# Altium PCB Electronic Load 20251111.PcbDoc (part 5 of 6)
Units mm, origin at the board's own origin, x right, y up, seen from the top; angles counter-clockwise.
Board outline 206 x 70 mm, 6 copper layers (L1, L2, L3, L4, L5, L6), stack 1.609 mm thick; 684 components, 355 nets, 1727 pads, 802 vias.
Unrouted connection lines stored in the file: 10.
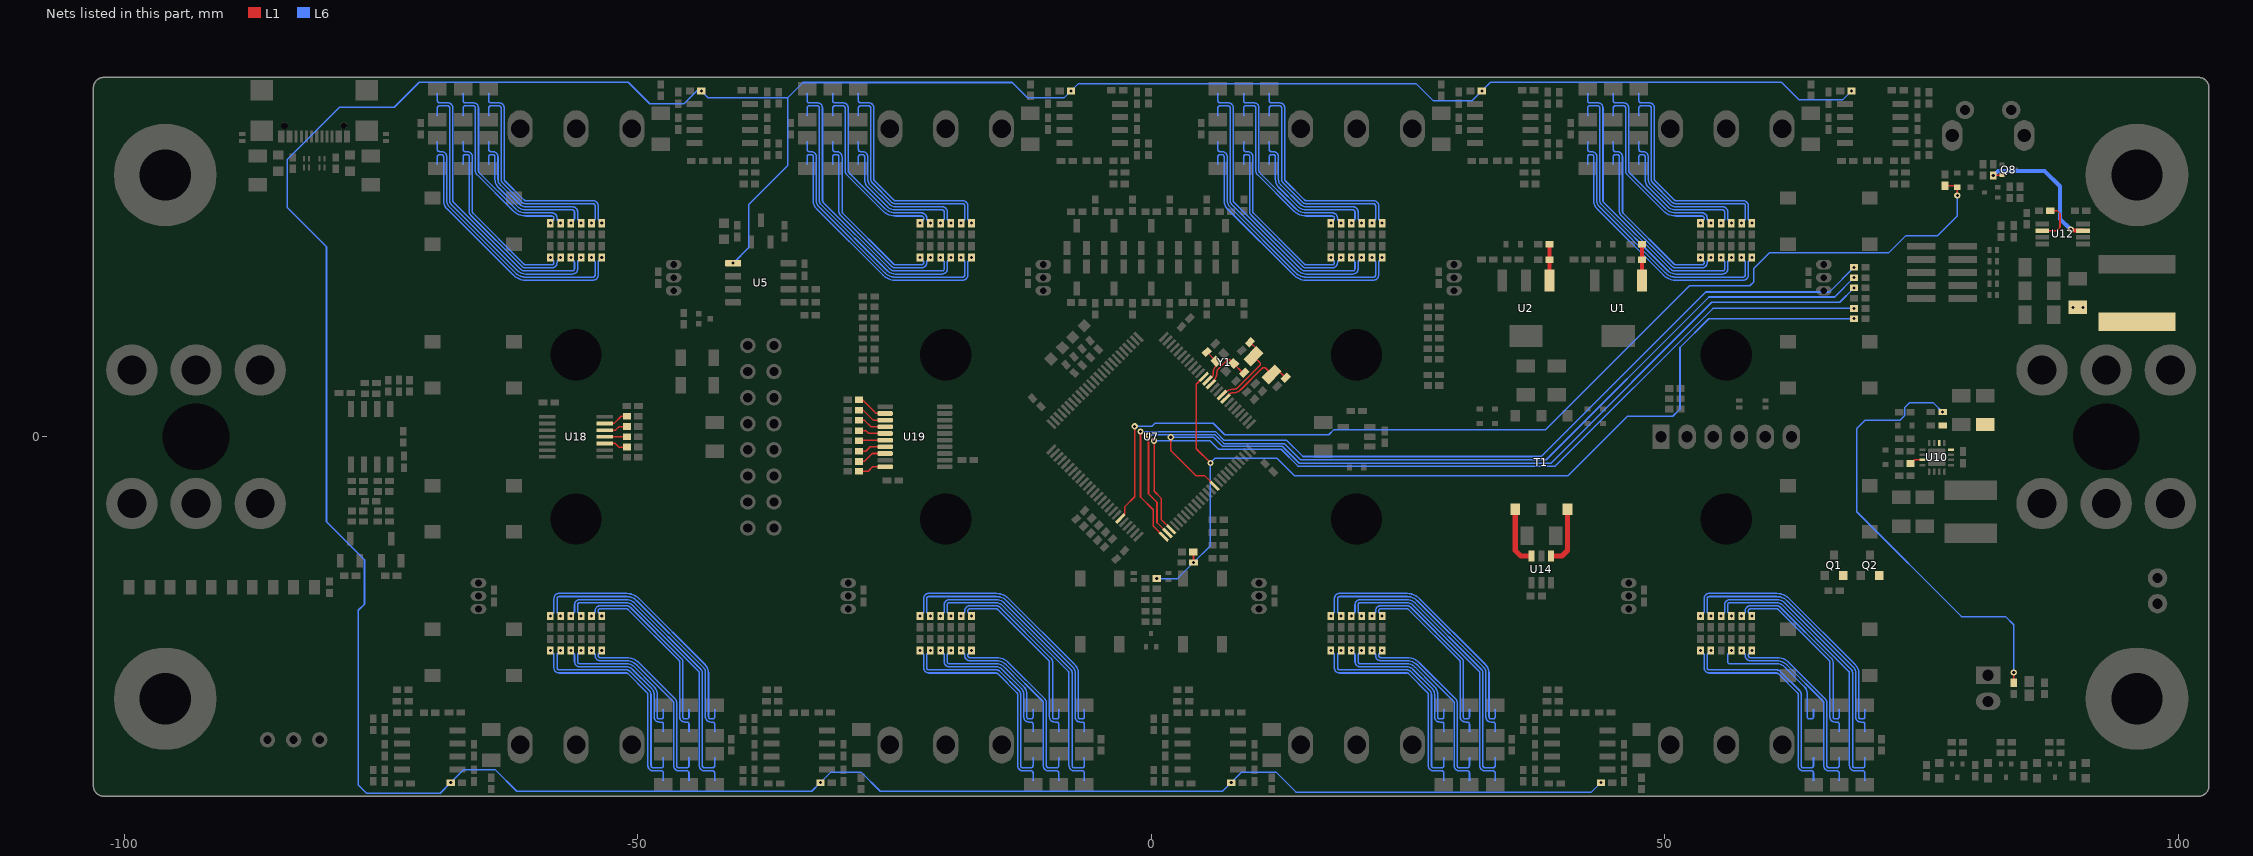
[diagram p9: the nets of this part, all layers, seen from the top]

## Via types
v1: diameter 0.6, hole 0.3, L1 to L6, tented both sides, 802 vias

## Nets (pads, with @x,y where several pads share a name; then routed paths per layer and width w, separated by ;. In a path a pad name is that pad's centre, name@x,y a point inside that pad or via, vN(x,y) a via of type N, cw(c..) or ccw(c..) an arc to the next point about the centre after c; other vN are vias at no path point) (continued)
NetR122_2: R122.2 U10.7 | length 1.3
  L1 w0.15: R122.2@73.95,-2.6 74.3,-2.25 U10.7@75.1,-2.25
NetR125_1: R125.1 R126.2 U1.1 | length 3.5
  L1 w0.4: R125.1@47.799,17.25 R126.2@47.799,18.75 ; U1.1@47.8,15.2 R125.1@47.799,17.25
NetR127_1: R127.1 R128.2 U2.1 | length 3.5
  L1 w0.4: R127.1@38.799,17.25 R128.2@38.799,18.75 ; U2.1@38.8,15.2 R127.1@38.799,17.25
NetR131_2: R131.2 U18.13 | length 2.4
  L1 w0.15: U18.13@-53.2,1.3 -52.3,1.3 -51.6,2 R131.2@-51.05,2
NetR133_2: R133.2 U18.12 | length 2.3
  L1 w0.15: U18.12@-53.2,0.65 -52.15,0.65 -51.8,1 R133.2@-51.05,1
NetR134_2: R134.2 U18.11 | length 2.1
  L1 w0.15: U18.11@-53.2,0 R134.2@-51.05,0
NetR135_2: R135.2 U18.10 | length 2.3
  L1 w0.15: U18.10@-53.2,-0.65 -52.182,-0.65 -51.832,-1 R135.2@-51.05,-1
NetR137_2: R137.2 U19.20 | length 2.7
  L1 w0.15: R137.2@-28.45,-3.35 -27.55,-3.35 -27.125,-2.925 U19.20@-25.9,-2.925
NetR139_2: R139.2 U19.18 | length 2.9
  L1 w0.15: R139.2@-28.45,-2.4 -27.931,-2.4 -27.156,-1.625 U19.18@-25.9,-1.625
NetR141_2: R141.2 U19.17 | length 2.7
  L1 w0.15: R141.2@-28.45,-1.4 -27.787,-1.4 -27.362,-0.975 U19.17@-25.9,-0.975
NetR143_2: R143.2 U19.16 | length 2.6
  L1 w0.15: R143.2@-28.45,-0.4 -28.375,-0.325 U19.16@-25.9,-0.325
NetR145_2: R145.2 U19.15 | length 2.7
  L1 w0.15: R145.2@-28.45,0.6 -27.777,0.6 -27.502,0.325 U19.15@-25.9,0.325
NetR147_2: R147.2 U19.14 | length 2.8
  L1 w0.15: R147.2@-28.45,1.6 -27.906,1.6 -27.281,0.975 U19.14@-25.9,0.975
NetR149_2: R149.2 U19.13 | length 3
  L1 w0.15: R149.2@-28.45,2.6 -28.05,2.6 -27.075,1.625 U19.13@-25.9,1.625
NetR151_2: R151.2 U19.12 | length 3.1
  L1 w0.15: R151.2@-28.45,3.6 -28.1,3.6 -26.775,2.275 U19.12@-25.9,2.275
NetR180_2: R180.2 U12.6 | length 4.3
  L1 w0.15: U12.6@86.775,20.075 88.175,20.075 88.5,20.4 88.5,21.75 88.25,22 R180.2@87.55,22
NetT1_1: T1.1 U14.3 | length 5.8
  L1 w0.5: T1.1@35.46,-7.07 35.46,-11.06 36,-11.6 U14.3@37.05,-11.6
NetT1_3: T1.3 U14.1 | length 5.8
  L1 w0.5: U14.1@38.95,-11.6 40,-11.6 40.54,-11.06 T1.3@40.54,-7.07
NetU5_1: R33_ICC1.1 R33_ICC2.1 R33_ICC3.1 R33_ICC4.1 R33_ICC5.1 R33_ICC6.1 R33_ICC7.1 R33_ICC8.1 U5.1 | length 370.7
  L6 w0.15: v1(-40.7,16.905) -39.2,18.405 -39.2,22.6 -35.4,26.4 -35.4,33 ; v1(43.8,-33.675) 42.875,-34.6 14.1,-34.6 12.15,-32.65 8.825,-32.65 v1(7.8,-33.675) 6.95,-34.525 -26.375,-34.525 -28.25,-32.65 -31.175,-32.65 v1(-32.2,-33.675) -33.05,-34.525 -61.775,-34.525 -63.895,-32.405 -66.93,-32.405 v1(-68.2,-33.675) -69.225,-34.7 -76.4,-34.7 -77.2,-33.9 -77.2,-16.9 -76.6,-16.3 -76.6,-11.966 -80.3,-8.266 -80.3,18.5 -84.1,22.3 -84.1,27.028 -79.028,32.1 -73.7,32.1 -71.275,34.525 -50.925,34.525 -48.825,32.425 -45.5,32.425 -44.25,33.675 v1(-43.8,33.675) -43.125,33 -35.4,33 ; v1(68.2,33.675) 67.325,32.8 63.1,32.8 61.375,34.525 33.05,34.525 v1(32.2,33.675) 31.23,32.705 27.495,32.705 25.8,34.4 -7.075,34.4 v1(-7.8,33.675) -8.475,33 -12.025,33 -13.525,34.5 -33.9,34.5 -35.4,33
OSC32_IN: C38.2 U7.8 Y2.1 | length 7.8
  L1 w0.15: U7.8@7.202,3.758 7.58,4.137 cw(c7.934,3.783) 7.934,4.283 8.068,4.283 ccw(c8.068,5.133) 8.669,4.532 10.801,6.664 cw(c10.978,6.488) 11.155,6.664 Y2.1@11.738,6.081 12.074,6.417 cw(c12.251,6.24) 12.427,6.417 C38.2@13.099,5.745
OSC32_OUT: C37.2 U7.9 Y2.2 | length 7.8
  L1 w0.15: U7.9@6.954,4.006 7.332,4.384 cw(c7.934,3.783) 7.934,4.633 8.068,4.633 ccw(c8.068,5.133) 8.421,4.779 10.554,6.912 ccw(c10.377,7.089) 10.554,7.266 Y2.2@9.97,7.849 10.306,8.185 ccw(c10.129,8.362) 10.306,8.538 C37.2@9.634,9.21
OSC_IN: C35.2 U7.12 Y1.1 | length 5.1
  L1 w0.15: U7.12@5.774,5.187 6.152,5.565 ccw(c5.551,6.166) 6.401,6.166 6.401,6.264 cw(c6.901,6.264) 6.547,6.618 7.372,7.442 cw(c7.548,7.266) 7.725,7.442 Y1.1@8.026,7.142 8.927,6.24 C35.2@9.069,6.24
OSC_OUT: C36.2 U7.13 Y1.3 | length 3.6
  L1 w0.15: C36.2@5.427,8.255 Y1.3@6.329,7.354 6.382,7.301 cw(c6.205,7.124) 6.382,6.947 6.3,6.865 ccw(c6.901,6.264) 6.051,6.264 6.051,6.166 cw(c5.551,6.166) 5.904,5.812 U7.13@5.526,5.434
PMID: C55.2 C67.2 L1.1 Q1.2 Q2.2 Q8.2 R176.1 U10.16 U12.3 | length 14.1
  L1 w0.15: v1(82,25.45) 82.805,25.45 Q8.2@82.855,25.5
  L1 w0.4: v1(89.55,20.175) 89.65,20.075 U12.3@90.725,20.075
  L6 w0.4: v1(82,25.45) 82.45,25.9 87,25.9 88.5,24.4 88.5,21.225 v1(89.55,20.175)
  other v1: 89.75,12.6 90.75,12.6
PROG.RST_N: C39.2 R94.1 R95.2 R173.1 U7.14 | length 98.3
  L1 w0.15: R95.2@4.1,-11.225 4.125,-11.25 v1(4.125,-12.25) ; U7.14@5.127,5.834 4.4,5.107 4.4,-1.157 v1(5.777,-2.534)
  L6 w0.15: v1(0.55,-13.8) 2.575,-13.8 v1(4.125,-12.25) 5.777,-10.598 v1(5.777,-2.534) 6.218,-2.094 12.25,-2.094 13.956,-3.8 40.586,-3.8 46.386,2 50.8,2 51.5,2.7 51.5,8.7 54.3,11.5 v1(68.45,11.5)
PROG.SWCLK: R169.1 U7.77 | length 87.3
  L1 w0.15: v1(-0.258,0.13) -0.258,-5.542 0.573,-6.373 0.573,-8.351 U7.77@1.591,-9.369
  L6 w0.15: v1(-0.258,0.13) -0.2,0.188 6.239,0.188 7.086,-0.66 12.969,-0.66 14.535,-2.226 38.474,-2.226 54.312,13.612 66.562,13.612 v1(68.45,15.5)
PROG.SWDIO: R168.1 U7.76 | length 89.3
  L1 w0.15: v1(-1.037,0.509) -1.037,-5.863 0.2,-7.1 0.2,-8.685 U7.76@1.237,-9.723
  L6 w0.15: v1(-1.037,0.509) 6.271,0.509 7.108,-0.328 13.19,-0.328 14.78,-1.917 37.983,-1.917 54,14.1 66.05,14.1 v1(68.45,16.5)
PROG.SWO: R170.1 U7.90 | length 81.6
  L1 w0.15: v1(1.913,-0.047) 1.913,-1.337 4.349,-3.773 5.187,-3.773 U7.90@6.187,-4.773
  L6 w0.15: v1(1.913,-0.047) 6.077,-0.047 6.942,-0.912 12.766,-0.912 14.418,-2.565 38.935,-2.565 54.6,13.1 67.05,13.1 v1(68.45,14.5)
PROG.TDI: R171.1 U7.78 | length 84.8
  L1 w0.15: v1(0.295,-0.39) 0.295,-5.295 1,-6 1,-8.071 U7.78@1.945,-9.016
  L6 w0.15: v1(0.295,-0.39) 5.728,-0.39 6.558,-1.22 12.668,-1.22 14.294,-2.846 39.354,-2.846 54.7,12.5 v1(68.45,12.5)
PWR: D31.2 R117.1 U7.70 | length 103.9
  L1 w0.15: U7.70@-3.005,-7.955 -2.548,-7.498 -2.548,-6.791 -1.601,-5.843 v1(-1.601,1.023) ; R117.1@77.3,24.45 78.35,24.45 D31.2@78.5,24.3 v1(78.5,23.5)
  L6 w0.15: v1(-1.601,1.023) 0.087,1.023 0.374,1.311 6.05,1.311 7.16,0.2 17.3,0.2 17.8,0.7 38.415,0.7 52.415,14.7 58.3,14.7 58.7,15.1 58.7,16.418 60.182,17.9 71.8,17.9 73.5,19.6 76.6,19.6 78.5,21.5 v1(78.5,23.5)
REGN: C53.2 C64.2 R114.2 U10.2 | length 43.8
  L1 w0.15: R114.2@84,-23.95 v1(84,-22.95)
  L6 w0.15: v1(77.075,2.4) 76.175,3.3 73.825,3.3 73.4,2.875 73.4,2.1 72.9,1.6 69.5,1.6 68.7,0.8 68.7,-7.3 78.9,-17.5 83.2,-17.5 84,-18.3 v1(84,-22.95)
SHUNT.SH1_CS1_N: NT12_CS1.1 R26_ICC1.2 | length 26.3
  L6 w0.15: NT12_CS1.1@-69.5,26.575 -69.5,27.275 cw(c-69.3,27.275) -69.3,27.475 -69.1,27.475 cw(c-69.1,27.275) -68.9,27.275 -68.9,22.984 ccw(c-67.8,22.984) -68.578,22.206 -62.119,15.748 ccw(c-60.917,16.95) -60.917,15.25 -54.35,15.25 ccw(c-54.35,15.75) -53.85,15.75 -53.85,17.017 cw(c-53.65,17.017) -53.791,17.159 v1(-53.5,17.45)
SHUNT.SH1_CS1_P: NT11_CS1.1 R31_ICC1.2 | length 21.2
  L6 w0.15: NT11_CS1.1@-64.5,31.325 -64.5,32.025 cw(c-64.3,32.025) -64.3,32.225 -63.5,32.225 cw(c-63.5,32.025) -63.3,32.025 -63.3,25.083 ccw(c-62.8,25.083) -63.154,24.729 -61.271,22.846 ccw(c-60.917,23.2) -60.917,22.7 -54.35,22.7 cw(c-54.35,22.5) -54.15,22.5 -54.15,21.233 cw(c-54.35,21.233) -54.208,21.092 v1(-54.5,20.8)
SHUNT.SH1_CS2_N: NT12_CS2.1 R26_ICC2.2 | length 26.3
  L6 w0.15: v1(-58.5,-17.45) -58.209,-17.159 ccw(c-58.35,-17.017) -58.15,-17.017 -58.15,-15.75 cw(c-57.65,-15.75) -57.65,-15.25 -51.083,-15.25 cw(c-51.083,-16.95) -49.881,-15.748 -43.422,-22.206 cw(c-44.2,-22.984) -43.1,-22.984 -43.1,-27.275 ccw(c-42.9,-27.275) -42.9,-27.475 -42.7,-27.475 ccw(c-42.7,-27.275) -42.5,-27.275 NT12_CS2.1@-42.5,-26.575
SHUNT.SH1_CS2_P: NT11_CS2.1 R31_ICC2.2 | length 21.2
  L6 w0.15: -57.792,-21.092 ccw(c-57.65,-21.233) -57.85,-21.233 -57.85,-22.5 ccw(c-57.65,-22.5) -57.65,-22.7 -51.083,-22.7 cw(c-51.083,-23.2) -50.729,-22.846 -48.846,-24.729 cw(c-49.2,-25.083) -48.7,-25.083 -48.7,-32.025 ccw(c-48.5,-32.025) -48.5,-32.225 -47.7,-32.225 ccw(c-47.7,-32.025) -47.5,-32.025 NT11_CS2.1@-47.5,-31.325 ; -57.791,-21.091 v1(-57.5,-20.8)
SHUNT.SH1_CS3_N: NT12_CS3.1 R26_ICC3.2 | length 26.3
  L6 w0.15: NT12_CS3.1@-33.5,26.575 -33.5,27.275 cw(c-33.3,27.275) -33.3,27.475 -33.1,27.475 cw(c-33.1,27.275) -32.9,27.275 -32.9,22.984 ccw(c-31.8,22.984) -32.578,22.206 -26.119,15.748 ccw(c-24.917,16.95) -24.917,15.25 -18.35,15.25 ccw(c-18.35,15.75) -17.85,15.75 -17.85,17.017 cw(c-17.65,17.017) -17.791,17.159 v1(-17.5,17.45)
SHUNT.SH1_CS3_P: NT11_CS3.1 R31_ICC3.2 | length 21.2
  L6 w0.15: NT11_CS3.1@-28.5,31.325 -28.5,32.025 cw(c-28.3,32.025) -28.3,32.225 -27.5,32.225 cw(c-27.5,32.025) -27.3,32.025 -27.3,25.083 ccw(c-26.8,25.083) -27.154,24.729 -25.271,22.846 ccw(c-24.917,23.2) -24.917,22.7 -18.35,22.7 cw(c-18.35,22.5) -18.15,22.5 -18.15,21.233 cw(c-18.35,21.233) -18.208,21.092 v1(-18.5,20.8)
SHUNT.SH1_CS4_N: NT12_CS4.1 R26_ICC4.2 | length 26.3
  L6 w0.15: v1(-22.5,-17.45) -22.209,-17.159 ccw(c-22.35,-17.017) -22.15,-17.017 -22.15,-15.75 cw(c-21.65,-15.75) -21.65,-15.25 -15.083,-15.25 cw(c-15.083,-16.95) -13.881,-15.748 -7.422,-22.206 cw(c-8.2,-22.984) -7.1,-22.984 -7.1,-27.275 ccw(c-6.9,-27.275) -6.9,-27.475 -6.7,-27.475 ccw(c-6.7,-27.275) -6.5,-27.275 NT12_CS4.1@-6.5,-26.575
SHUNT.SH1_CS4_P: NT11_CS4.1 R31_ICC4.2 | length 21.2
  L6 w0.15: v1(-21.5,-20.8) -21.791,-21.091 ccw(c-21.65,-21.233) -21.85,-21.233 -21.85,-22.5 ccw(c-21.65,-22.5) -21.65,-22.7 -15.083,-22.7 cw(c-15.083,-23.2) -14.729,-22.846 -12.846,-24.729 cw(c-13.2,-25.083) -12.7,-25.083 -12.7,-32.025 ccw(c-12.5,-32.025) -12.5,-32.225 -11.7,-32.225 ccw(c-11.7,-32.025) -11.5,-32.025 NT11_CS4.1@-11.5,-31.325
SHUNT.SH1_CS5_N: NT12_CS5.1 R26_ICC5.2 | length 26.3
  L6 w0.15: NT12_CS5.1@6.5,26.575 6.5,27.275 cw(c6.7,27.275) 6.7,27.475 6.9,27.475 cw(c6.9,27.275) 7.1,27.275 7.1,22.984 ccw(c8.2,22.984) 7.422,22.206 13.881,15.748 ccw(c15.083,16.95) 15.083,15.25 21.65,15.25 ccw(c21.65,15.75) 22.15,15.75 22.15,17.017 cw(c22.35,17.017) 22.209,17.159 v1(22.5,17.45)
SHUNT.SH1_CS5_P: NT11_CS5.1 R31_ICC5.2 | length 21.2
  L6 w0.15: NT11_CS5.1@11.5,31.325 11.5,32.025 cw(c11.7,32.025) 11.7,32.225 12.5,32.225 cw(c12.5,32.025) 12.7,32.025 12.7,25.083 ccw(c13.2,25.083) 12.846,24.729 14.729,22.846 ccw(c15.083,23.2) 15.083,22.7 21.65,22.7 cw(c21.65,22.5) 21.85,22.5 21.85,21.233 cw(c21.65,21.233) 21.792,21.092 ; v1(21.5,20.8) 21.791,21.091
SHUNT.SH1_CS6_N: NT12_CS6.1 R26_ICC6.2 | length 26.3
  L6 w0.15: v1(17.5,-17.45) 17.791,-17.159 ccw(c17.65,-17.017) 17.85,-17.017 17.85,-15.75 cw(c18.35,-15.75) 18.35,-15.25 24.917,-15.25 cw(c24.917,-16.95) 26.119,-15.748 32.578,-22.206 cw(c31.8,-22.984) 32.9,-22.984 32.9,-27.275 ccw(c33.1,-27.275) 33.1,-27.475 33.3,-27.475 ccw(c33.3,-27.275) 33.5,-27.275 NT12_CS6.1@33.5,-26.575
SHUNT.SH1_CS6_P: NT11_CS6.1 R31_ICC6.2 | length 21.2
  L6 w0.15: v1(18.5,-20.8) 18.209,-21.091 ccw(c18.35,-21.233) 18.15,-21.233 18.15,-22.5 ccw(c18.35,-22.5) 18.35,-22.7 24.917,-22.7 cw(c24.917,-23.2) 25.271,-22.846 27.154,-24.729 cw(c26.8,-25.083) 27.3,-25.083 27.3,-32.025 ccw(c27.5,-32.025) 27.5,-32.225 28.3,-32.225 ccw(c28.3,-32.025) 28.5,-32.025 NT11_CS6.1@28.5,-31.325
SHUNT.SH1_CS7_N: NT12_CS7.1 R26_ICC7.2 | length 26.3
  L6 w0.15: NT12_CS7.1@42.5,26.575 42.5,27.275 cw(c42.7,27.275) 42.7,27.475 42.9,27.475 cw(c42.9,27.275) 43.1,27.275 43.1,22.984 ccw(c44.2,22.984) 43.422,22.206 49.881,15.748 ccw(c51.083,16.95) 51.083,15.25 57.65,15.25 ccw(c57.65,15.75) 58.15,15.75 58.15,17.017 cw(c58.35,17.017) 58.209,17.159 v1(58.5,17.45)
SHUNT.SH1_CS7_P: NT11_CS7.1 R31_ICC7.2 | length 21.2
  L6 w0.15: NT11_CS7.1@47.5,31.325 47.5,32.025 cw(c47.7,32.025) 47.7,32.225 48.5,32.225 cw(c48.5,32.025) 48.7,32.025 48.7,25.083 ccw(c49.2,25.083) 48.846,24.729 50.729,22.846 ccw(c51.083,23.2) 51.083,22.7 57.65,22.7 cw(c57.65,22.5) 57.85,22.5 57.85,21.233 cw(c57.65,21.233) 57.792,21.092 v1(57.5,20.8)
SHUNT.SH1_CS8_N: NT12_CS8.1 R26_ICC8.2 | length 26.3
  L6 w0.15: v1(53.5,-17.45) 53.791,-17.159 ccw(c53.65,-17.017) 53.85,-17.017 53.85,-15.75 cw(c54.35,-15.75) 54.35,-15.25 60.917,-15.25 cw(c60.917,-16.95) 62.119,-15.748 68.578,-22.206 cw(c67.8,-22.984) 68.9,-22.984 68.9,-27.275 ccw(c69.1,-27.275) 69.1,-27.475 69.3,-27.475 ccw(c69.3,-27.275) 69.5,-27.275 NT12_CS8.1@69.5,-26.575
SHUNT.SH1_CS8_P: NT11_CS8.1 R31_ICC8.2 | length 21.2
  L6 w0.15: 54.208,-21.092 ccw(c54.35,-21.233) 54.15,-21.233 54.15,-22.5 ccw(c54.35,-22.5) 54.35,-22.7 60.917,-22.7 cw(c60.917,-23.2) 61.271,-22.846 63.154,-24.729 cw(c62.8,-25.083) 63.3,-25.083 63.3,-32.025 ccw(c63.5,-32.025) 63.5,-32.225 64.3,-32.225 ccw(c64.3,-32.025) 64.5,-32.025 NT11_CS8.1@64.5,-31.325 ; 54.209,-21.091 v1(54.5,-20.8)
SHUNT.SH2_CS1_N: NT10_CS1.1 R27_ICC1.2 | length 18.7
  L6 w0.15: NT10_CS1.1@-67,26.575 -67,27.275 cw(c-66.8,27.275) -66.8,27.475 -66.6,27.475 cw(c-66.6,27.275) -66.4,27.275 -66.4,21.933 ccw(c-65.9,21.933) -66.254,21.579 -61.271,16.596 ccw(c-60.917,16.95) -60.917,16.45 -58.35,16.45 ccw(c-58.35,16.95) -57.85,16.95 -57.85,17.017 cw(c-57.65,17.017) -57.791,17.159 v1(-57.5,17.45)
SHUNT.SH2_CS1_P: NT9_CS1.1 R32_ICC1.2 | length 18.5
  L6 w0.15: NT9_CS1.1@-67,31.325 -67,32.025 cw(c-66.8,32.025) -66.8,32.225 -66,32.225 cw(c-66,32.025) -65.8,32.025 -65.8,25.886 ccw(c-65.3,25.886) -65.654,25.532 -62.119,21.998 ccw(c-60.917,23.2) -60.917,21.5 -58.35,21.5 cw(c-58.35,21.3) -58.15,21.3 -58.15,21.233 cw(c-58.35,21.233) -58.209,21.091 v1(-58.5,20.8)
SHUNT.SH2_CS2_N: NT10_CS2.1 R27_ICC2.2 | length 18.7
  L6 w0.15: v1(-54.5,-17.45) -54.209,-17.159 ccw(c-54.35,-17.017) -54.15,-17.017 -54.15,-16.95 cw(c-53.65,-16.95) -53.65,-16.45 -51.083,-16.45 cw(c-51.083,-16.95) -50.729,-16.596 -45.746,-21.579 cw(c-46.1,-21.933) -45.6,-21.933 -45.6,-27.275 ccw(c-45.4,-27.275) -45.4,-27.475 -45.2,-27.475 ccw(c-45.2,-27.275) -45,-27.275 NT10_CS2.1@-45,-26.575
SHUNT.SH2_CS2_P: NT9_CS2.1 R32_ICC2.2 | length 18.5
  L6 w0.15: v1(-53.5,-20.8) -53.791,-21.091 ccw(c-53.65,-21.233) -53.85,-21.233 -53.85,-21.3 ccw(c-53.65,-21.3) -53.65,-21.5 -51.083,-21.5 cw(c-51.083,-23.2) -49.881,-21.998 -46.346,-25.532 cw(c-46.7,-25.886) -46.2,-25.886 -46.2,-32.025 ccw(c-46,-32.025) -46,-32.225 -45.2,-32.225 ccw(c-45.2,-32.025) -45,-32.025 NT9_CS2.1@-45,-31.325
SHUNT.SH2_CS3_N: NT10_CS3.1 R27_ICC3.2 | length 18.7
  L6 w0.15: NT10_CS3.1@-31,26.575 -31,27.275 cw(c-30.8,27.275) -30.8,27.475 -30.6,27.475 cw(c-30.6,27.275) -30.4,27.275 -30.4,21.933 ccw(c-29.9,21.933) -30.254,21.579 -25.271,16.596 ccw(c-24.917,16.95) -24.917,16.45 -22.35,16.45 ccw(c-22.35,16.95) -21.85,16.95 -21.85,17.017 cw(c-21.65,17.017) -21.791,17.159 v1(-21.5,17.45)
SHUNT.SH2_CS3_P: NT9_CS3.1 R32_ICC3.2 | length 18.5
  L6 w0.15: NT9_CS3.1@-31,31.325 -31,32.025 cw(c-30.8,32.025) -30.8,32.225 -30,32.225 cw(c-30,32.025) -29.8,32.025 -29.8,25.886 ccw(c-29.3,25.886) -29.654,25.532 -26.119,21.998 ccw(c-24.917,23.2) -24.917,21.5 -22.35,21.5 cw(c-22.35,21.3) -22.15,21.3 -22.15,21.233 cw(c-22.35,21.233) -22.209,21.091 v1(-22.5,20.8)
SHUNT.SH2_CS4_N: NT10_CS4.1 R27_ICC4.2 | length 18.7
  L6 w0.15: v1(-18.5,-17.45) -18.209,-17.159 ccw(c-18.35,-17.017) -18.15,-17.017 -18.15,-16.95 cw(c-17.65,-16.95) -17.65,-16.45 -15.083,-16.45 cw(c-15.083,-16.95) -14.729,-16.596 -9.746,-21.579 cw(c-10.1,-21.933) -9.6,-21.933 -9.6,-27.275 ccw(c-9.4,-27.275) -9.4,-27.475 -9.2,-27.475 ccw(c-9.2,-27.275) -9,-27.275 NT10_CS4.1@-9,-26.575
SHUNT.SH2_CS4_P: NT9_CS4.1 R32_ICC4.2 | length 18.5
  L6 w0.15: v1(-17.5,-20.8) -17.791,-21.091 ccw(c-17.65,-21.233) -17.85,-21.233 -17.85,-21.3 ccw(c-17.65,-21.3) -17.65,-21.5 -15.083,-21.5 cw(c-15.083,-23.2) -13.881,-21.998 -10.346,-25.532 cw(c-10.7,-25.886) -10.2,-25.886 -10.2,-32.025 ccw(c-10,-32.025) -10,-32.225 -9.2,-32.225 ccw(c-9.2,-32.025) -9,-32.025 NT9_CS4.1@-9,-31.325
SHUNT.SH2_CS5_N: NT10_CS5.1 R27_ICC5.2 | length 18.7
  L6 w0.15: NT10_CS5.1@9,26.575 9,27.275 cw(c9.2,27.275) 9.2,27.475 9.4,27.475 cw(c9.4,27.275) 9.6,27.275 9.6,21.933 ccw(c10.1,21.933) 9.746,21.579 14.729,16.596 ccw(c15.083,16.95) 15.083,16.45 17.65,16.45 ccw(c17.65,16.95) 18.15,16.95 18.15,17.017 cw(c18.35,17.017) 18.209,17.159 v1(18.5,17.45)
SHUNT.SH2_CS5_P: NT9_CS5.1 R32_ICC5.2 | length 18.5
  L6 w0.15: NT9_CS5.1@9,31.325 9,32.025 cw(c9.2,32.025) 9.2,32.225 10,32.225 cw(c10,32.025) 10.2,32.025 10.2,25.886 ccw(c10.7,25.886) 10.346,25.532 13.881,21.998 ccw(c15.083,23.2) 15.083,21.5 17.65,21.5 cw(c17.65,21.3) 17.85,21.3 17.85,21.233 cw(c17.65,21.233) 17.791,21.091 v1(17.5,20.8)
SHUNT.SH2_CS6_N: NT10_CS6.1 R27_ICC6.2 | length 18.7
  L6 w0.15: v1(21.5,-17.45) 21.791,-17.159 ccw(c21.65,-17.017) 21.85,-17.017 21.85,-16.95 cw(c22.35,-16.95) 22.35,-16.45 24.917,-16.45 cw(c24.917,-16.95) 25.271,-16.596 30.254,-21.579 cw(c29.9,-21.933) 30.4,-21.933 30.4,-27.275 ccw(c30.6,-27.275) 30.6,-27.475 30.8,-27.475 ccw(c30.8,-27.275) 31,-27.275 NT10_CS6.1@31,-26.575
SHUNT.SH2_CS6_P: NT9_CS6.1 R32_ICC6.2 | length 18.5
  L6 w0.15: v1(22.5,-20.8) 22.209,-21.091 ccw(c22.35,-21.233) 22.15,-21.233 22.15,-21.3 ccw(c22.35,-21.3) 22.35,-21.5 24.917,-21.5 cw(c24.917,-23.2) 26.119,-21.998 29.654,-25.532 cw(c29.3,-25.886) 29.8,-25.886 29.8,-32.025 ccw(c30,-32.025) 30,-32.225 30.8,-32.225 ccw(c30.8,-32.025) 31,-32.025 NT9_CS6.1@31,-31.325
SHUNT.SH2_CS7_N: NT10_CS7.1 R27_ICC7.2 | length 18.7
  L6 w0.15: NT10_CS7.1@45,26.575 45,27.275 cw(c45.2,27.275) 45.2,27.475 45.4,27.475 cw(c45.4,27.275) 45.6,27.275 45.6,21.933 ccw(c46.1,21.933) 45.746,21.579 50.729,16.596 ccw(c51.083,16.95) 51.083,16.45 53.65,16.45 ccw(c53.65,16.95) 54.15,16.95 54.15,17.017 cw(c54.35,17.017) 54.209,17.159 v1(54.5,17.45)
SHUNT.SH2_CS7_P: NT9_CS7.1 R32_ICC7.2 | length 18.5
  L6 w0.15: NT9_CS7.1@45,31.325 45,32.025 cw(c45.2,32.025) 45.2,32.225 46,32.225 cw(c46,32.025) 46.2,32.025 46.2,25.886 ccw(c46.7,25.886) 46.346,25.532 49.881,21.998 ccw(c51.083,23.2) 51.083,21.5 53.65,21.5 cw(c53.65,21.3) 53.85,21.3 53.85,21.233 cw(c53.65,21.233) 53.791,21.091 v1(53.5,20.8)
SHUNT.SH2_CS8_N: NT10_CS8.1 R27_ICC8.2 | length 18.7
  L6 w0.15: v1(57.5,-17.45) 57.791,-17.159 ccw(c57.65,-17.017) 57.85,-17.017 57.85,-16.95 cw(c58.35,-16.95) 58.35,-16.45 60.917,-16.45 cw(c60.917,-16.95) 61.271,-16.596 66.254,-21.579 cw(c65.9,-21.933) 66.4,-21.933 66.4,-27.275 ccw(c66.6,-27.275) 66.6,-27.475 66.8,-27.475 ccw(c66.8,-27.275) 67,-27.275 NT10_CS8.1@67,-26.575
SHUNT.SH2_CS8_P: NT9_CS8.1 R32_ICC8.2 | length 18.5
  L6 w0.15: v1(58.5,-20.8) 58.209,-21.091 ccw(c58.35,-21.233) 58.15,-21.233 58.15,-21.3 ccw(c58.35,-21.3) 58.35,-21.5 60.917,-21.5 cw(c60.917,-23.2) 62.119,-21.998 65.654,-25.532 cw(c65.3,-25.886) 65.8,-25.886 65.8,-32.025 ccw(c66,-32.025) 66,-32.225 66.8,-32.225 ccw(c66.8,-32.025) 67,-32.025 NT9_CS8.1@67,-31.325
SHUNT.SH3_CS1_N: NT8_CS1.1 R28_ICC1.2 | length 14.2
  L6 w0.15: NT8_CS1.1@-64.5,26.575 -64.5,27.275 cw(c-64.3,27.275) -64.3,27.475 -64.1,27.475 cw(c-64.1,27.275) -63.9,27.275 -63.9,25.083 ccw(c-62.8,25.083) -63.578,24.305 -61.695,22.422 ccw(c-60.917,23.2) -60.917,22.1 -56.35,22.1 cw(c-56.35,21.9) -56.15,21.9 -56.15,21.233 cw(c-56.35,21.233) -56.209,21.091 v1(-56.5,20.8)
SHUNT.SH3_CS1_P: NT7_CS1.1 R35_ICC1.2 | length 28.1
  L6 w0.15: NT7_CS1.1@-69.5,31.325 -69.5,32.025 cw(c-69.3,32.025) -69.3,32.225 -68.5,32.225 cw(c-68.5,32.025) -68.3,32.025 -68.3,22.984 ccw(c-67.8,22.984) -68.154,22.631 -61.695,16.172 ccw(c-60.917,16.95) -60.917,15.85 -56.35,15.85 ccw(c-56.35,16.35) -55.85,16.35 -55.85,17.017 cw(c-55.65,17.017) -55.791,17.159 v1(-55.5,17.45)